# KiCad board evr-fmc.kicad_pcb (continued)
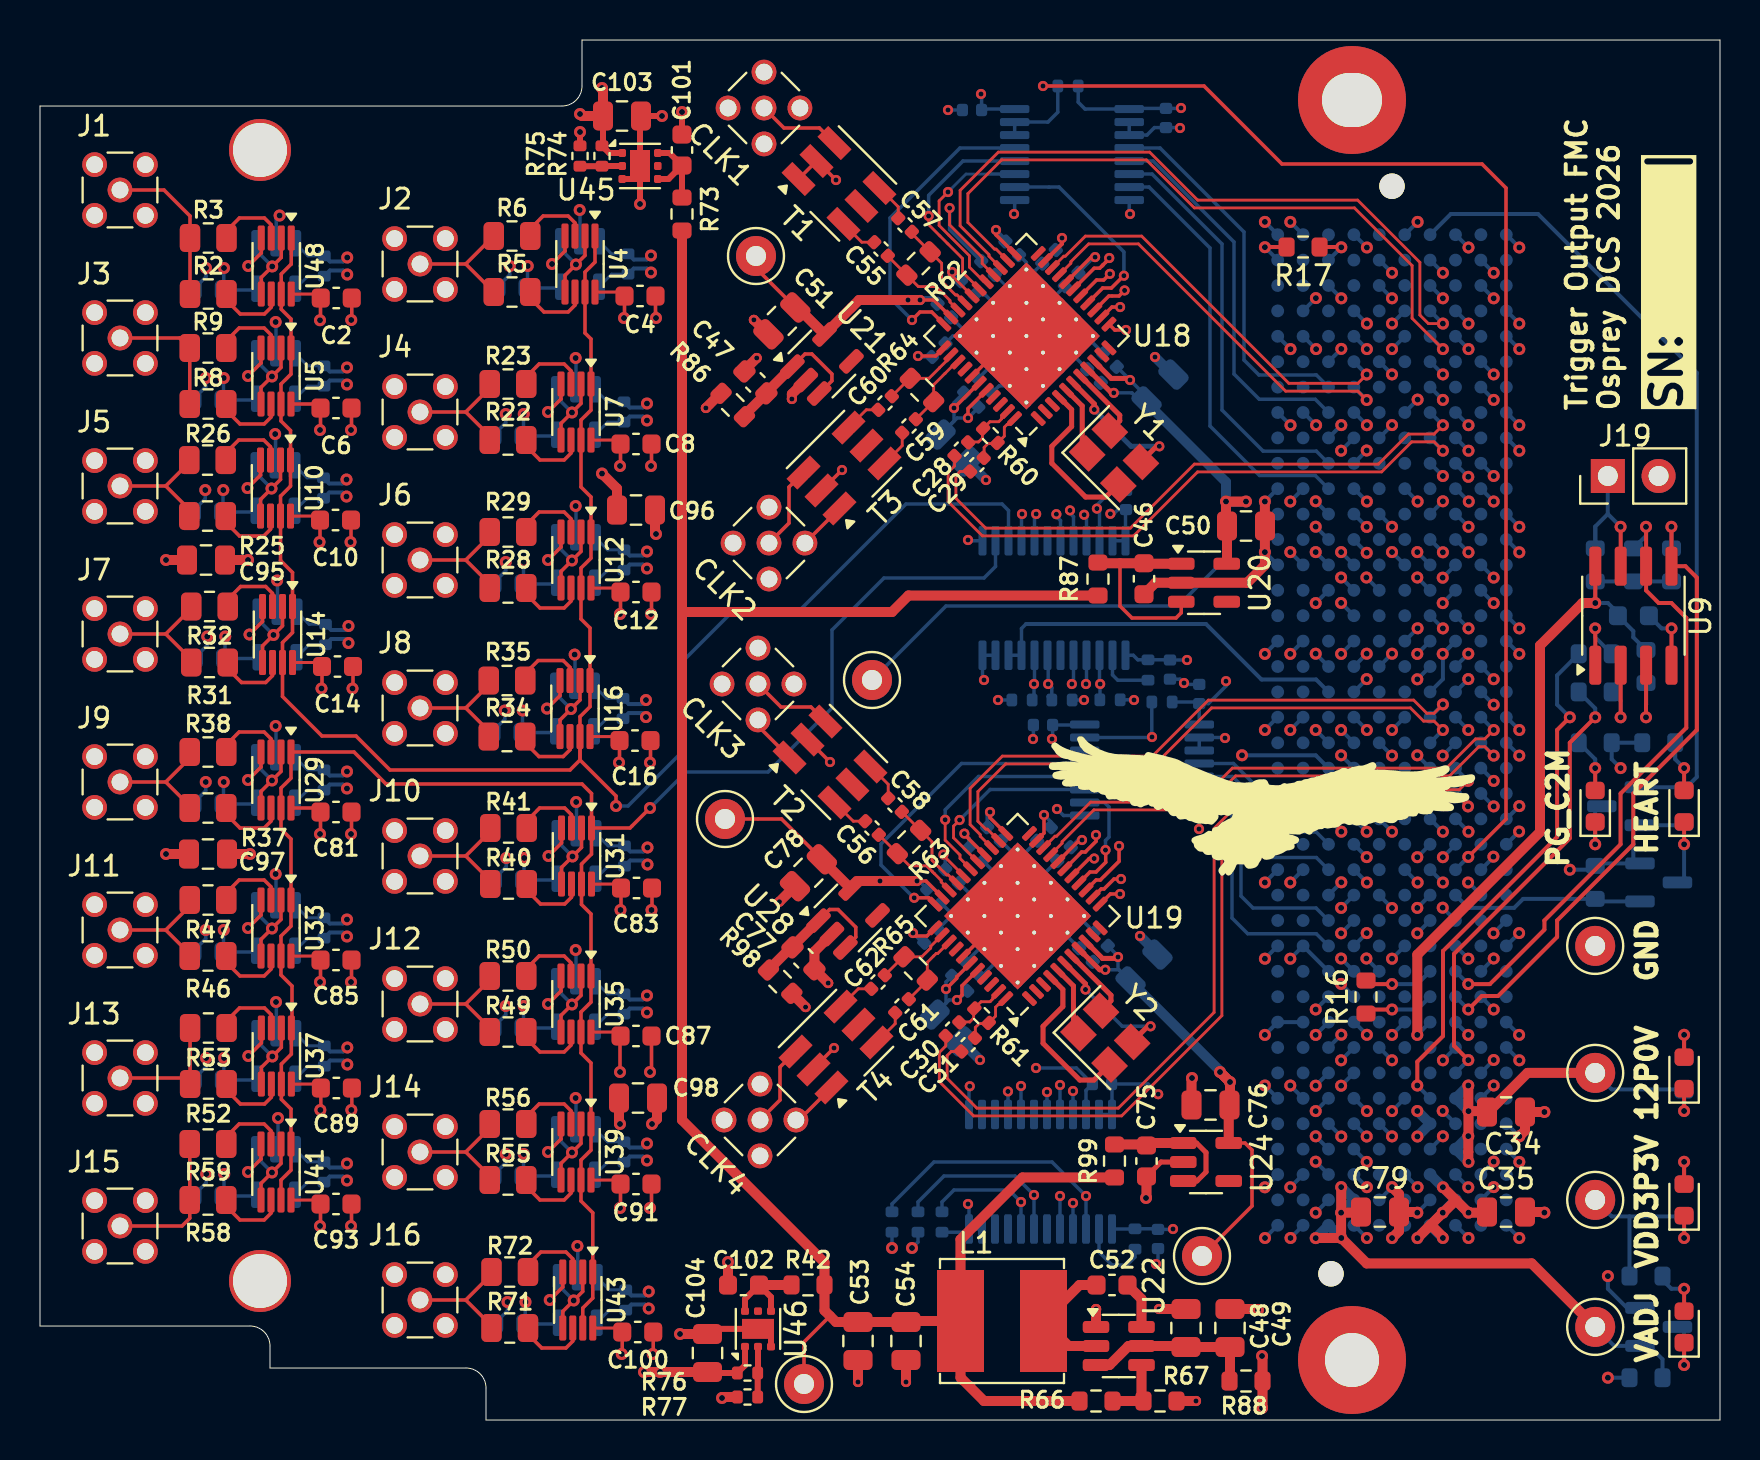
[diagram p0: board, top side]
## Routing (per net, layer and track width the routed paths; a pad name or vN(x,y) marks a point on that pad's centre or on a via; arc(x,y) is an arc through that point) (continued)
  In2.Cu w0.15: v1(15.35,25.02) 15.57,24.8 40.48,24.8 42.78,22.5 46.48,22.5 48.48,20.5 52.82,20.5 54.42,22.1 62.47,22.1 63.01,22.64 64.62,22.64 v1(65.06,23.08)
  Bottom w0.15: U32.3 13.38,25.11 R45.1
  Bottom w0.2: v1(15.35,25.02) 15.15,24.83 14.48,24.83 R45.1 ; P1.G30 v1(65.06,23.08)
/Digital IO/D_Output11.N: length 40
  In2.Cu w0.15: v1(63.78,19.25) 63.35,19.69 62.73,19.69 62.12,20.3 54.98,20.3 53.38,18.7 41.22,18.7 38.62,21.3 33.18,21.3 32.48,20.6 30.57,20.6 v1(30.35,20.38)
  Bottom w0.15: U34.4 28.38,20.29 R48.2
  Bottom w0.2: v1(30.35,20.38) 30.15,20.57 29.48,20.57 R48.2 ; P1.H32 v1(63.78,19.25)
/Digital IO/D_Output11.P: length 40
  In2.Cu w0.15: v1(30.35,21.22) 30.57,21 32.32,21 33.02,21.7 38.78,21.7 41.38,19.1 53.22,19.1 54.82,20.7 62.28,20.7 62.89,20.09 63.35,20.09 v1(63.78,20.53)
  Bottom w0.15: U34.3 28.38,21.31 R48.1
  Bottom w0.2: P1.H31 v1(63.78,20.53) ; v1(30.35,21.22) 30.15,21.03 29.48,21.03 R48.1
/Digital IO/D_Output12.N: length 57.1
  In2.Cu w0.15: v1(65.06,16.72) 64.62,17.15 64.27,17.15 63.32,18.1 56.68,18.1 53.28,14.7 41.62,14.7 38.32,18 15.59,18 v1(15.37,17.78)
  Bottom w0.15: R51.2 13.39,17.69 U36.4
  Bottom w0.2: R51.2 14.5,17.97 15.17,17.97 v1(15.37,17.78) ; P1.G34 v1(65.06,16.72)
/Digital IO/D_Output12.P: length 57.1
  In2.Cu w0.15: v1(65.06,17.98) 64.62,17.55 64.43,17.55 63.48,18.5 56.52,18.5 53.12,15.1 41.78,15.1 38.48,18.4 15.59,18.4 v1(15.37,18.62)
  Bottom w0.15: U36.3 13.39,18.71 R51.1
  Bottom w0.2: P1.G33 v1(65.06,17.98) ; v1(15.37,18.62) 15.17,18.43 14.5,18.43 R51.1
/Digital IO/D_Output13.N: length 40.3
  In2.Cu w0.15: v1(30.35,12.97) 30.57,13.2 32.72,13.2 34.52,11.4 42.78,11.4 44.68,13.3 55.38,13.3 57.08,15 62.28,15 63.16,15.88 63.35,15.88 v1(63.78,15.44)
  Bottom w0.15: R54.2 28.38,12.89 U38.4
  Bottom w0.2: v1(30.35,12.97) 30.15,13.17 29.48,13.17 R54.2 ; 64.43,16.08 v1(63.78,15.44)
/Digital IO/D_Output13.P: length 40.3
  In2.Cu w0.15: v1(63.78,16.72) 63.35,16.28 63,16.28 62.12,15.4 56.92,15.4 55.22,13.7 44.52,13.7 42.62,11.8 34.68,11.8 32.88,13.6 30.57,13.6 v1(30.35,13.83)
  Bottom w0.15: R54.1 28.38,13.91 U38.3
  Bottom w0.2: v1(30.35,13.83) 30.15,13.63 29.48,13.63 R54.1 ; P1.H34 v1(63.78,16.72)
/Digital IO/D_Output14.N: length 55.9
  In2.Cu w0.15: v1(15.35,11.97) 15.63,11.97 16.1,11.51 16.1,10.32 16.92,9.5 43.78,9.5 46.18,11.9 56.28,11.9 57.73,13.35 63.35,13.35 v1(63.78,12.92)
  Bottom w0.15: U40.4 13.38,11.89 R57.2
  Bottom w0.2: R57.2 14.48,12.17 15.15,12.17 v1(15.35,11.97) ; P1.H38 v1(63.78,12.92)
/Digital IO/D_Output14.P: length 56.1
  In2.Cu w0.15: v1(15.35,12.83) 16.5,11.67 16.5,10.48 17.08,9.9 43.62,9.9 46.02,12.3 56.12,12.3 57.57,13.75 63.35,13.75 v1(63.78,14.19)
  Bottom w0.15: R57.1 13.38,12.91 U40.3
  Bottom w0.2: R57.1 14.48,12.63 15.15,12.63 v1(15.35,12.83) ; P1.H37 v1(63.78,14.19)
/Digital IO/D_Output15.N: length 44.1
  In2.Cu w0.15: v1(30.44,5.57) 30.66,5.8 34.32,5.8 35.32,4.8 41.38,4.8 46.38,9.8 55.98,9.8 56.68,10.5 62.88,10.5 65.72,13.34 65.9,13.34 v1(66.34,12.91)
  Bottom w0.15: R69.2 28.47,5.49 U42.4
  Bottom w0.2: R69.2 29.57,5.77 30.24,5.77 v1(30.44,5.57) ; P1.G37 v1(66.34,12.91)
/Digital IO/D_Output15.P: length 44.1
  In2.Cu w0.15: v1(66.34,14.17) 65.9,13.74 65.56,13.74 62.72,10.9 56.52,10.9 55.82,10.2 46.22,10.2 41.22,5.2 35.48,5.2 34.48,6.2 30.66,6.2 v1(30.44,6.43)
  Bottom w0.15: R69.1 28.47,6.51 U42.3
  Bottom w0.2: v1(30.44,6.43) 30.24,6.23 29.57,6.23 R69.1 ; P1.G36 v1(66.34,14.17)
/Digital IO/OE_A: length 102.9
  Top w0.175: 27,33 26.5,32.5 17.5,32.5 15.8,34.2 14.1,34.2 12.13,36.17 U14.7 12.13,38.87 12.63,39.37 U14.1 12.63,42.37 12.03,42.97 U10.7 12.03,46.19 12.53,46.69 U10.1 12.53,49.47 12.05,49.95 U5.7 12.05,51.8 12.55,52.3 U5.1 12.55,55.05 12.06,55.54 U48.7 12.06,57.3 12.56,57.8 U48.1 ; 27,33 28.8,31.2 v1(28.8,30.7) ; 27,33 U16.7 ; 27,33 U16.7 ; U16.7 27,35.17 27.5,35.67 U16.1 27.5,39.6 27.05,40.05 U12.7 27.05,42.6 27.55,43.1 U12.1 27.55,46.15 27.05,46.65 U7.7 27.05,50 27.55,50.5 U7.1 27.55,54.05 27.25,54.35 U4.7 27.25,57.4 27.75,57.9 U4.1
  Bottom w0.175: v1(28.8,30.7) 29.4,30.7 32.1,33.4 32.1,37.9 34.7,40.5 38,40.5 43.3,45.8 48.1,45.8 48.43,45.47 U26.15
/Digital IO/OE_B: length 97.1
  Top w0.175: U31.1 27.58,31.32 27.1,31.8 17.3,31.8 15.7,33.4 U29.1 12.55,32.1 12.05,31.6 U29.7 12.05,29.55 12.55,29.05 U33.1 12.55,24.7 12.05,24.2 U33.7 12.05,22.25 12.6,21.7 12.6,19.63 U37.1 12.57,18.3 12.07,17.8 U37.7 12.07,16.03 12.55,15.55 U41.1 12.55,12.5 12.05,12 U41.7 ; U31.1 27.58,28.3 27.07,27.8 U31.7 27.07,25.78 27.55,25.3 U35.1 27.55,20.9 27.05,20.4 U35.7 27.05,18.35 27.55,17.85 U39.1 27.55,13.5 27.05,13 U39.7 27.05,10.95 27.64,10.36 U43.1 27.64,6.1 27.14,5.6 U43.7 ; U31.1 29.5,29.6 v1(30.5,30.6)
  Bottom w0.175: v1(30.5,30.6) 32.3,32.4 36.4,32.4 39.6,35.6 39.6,39.5 42.2,42.1 47.2,42.1 47.78,42.67 47.78,43.96
/Digital IO/out_buffer0/Out: length 8
  Top w0.175: 7.5,56.22 R2.2 R3.2 7.5,60.2 6.2,61.5 J1.1
/Digital IO/out_buffer1/Out: length 6.3
  Top w0.175: J2.1 21.29,57.8 ; 21.29,57.8 R6.2 ; 21.29,57.8 R5.2 22.69,56.32
/Digital IO/out_buffer2/Out: length 6.6
  Top w0.175: J3.1 6.99,54.1 R9.2 R8.2 7.49,50.72
/Digital IO/out_buffer3/Out: length 6.3
  Top w0.175: J4.1 21.29,50.4 ; 21.29,50.4 22.69,51.8 ; 21.29,50.4 22.69,49 ; 22.49,48.92 R22.2
/Digital IO/out_buffer4/Out: length 6.3
  Top w0.175: J5.1 6.29,46.7 ; 6.29,46.7 7.69,48.1 ; 6.29,46.7 7.69,45.3 ; 7.46,45.12 R25.2
/Digital IO/out_buffer5/Out: length 6.3
  Top w0.175: 22.69,41.6 21.29,43 ; 21.29,43 22.69,44.4 ; 21.29,43 J6.1 ; 22.49,41.52 R28.2
/Digital IO/out_buffer6/Out: length 6.3
  Top w0.175: 6.29,39.3 7.69,40.7 ; 6.29,39.3 7.69,37.9 ; 6.29,39.3 J7.1 ; 7.56,37.8 R31.2
/Digital IO/out_buffer7/Out: length 6.3
  Top w0.175: 22.69,34.2 21.29,35.6 ; 21.29,35.6 J8.1 ; 21.29,35.6 22.69,37 ; 22.44,34.09 R34.2
/Digital IO/out_buffer8/Out: length 6.3
  Top w0.175: 7.69,30.5 6.29,31.9 ; 6.29,31.9 J9.1 ; 6.29,31.9 7.69,33.3 ; 7.49,30.52 R37.2
/Digital IO/out_buffer9/Out: length 6.3
  Top w0.175: 21.29,28.2 22.69,29.6 ; 21.29,28.2 22.69,26.8 ; 21.29,28.2 J10.1 ; 22.51,26.72 R40.2
/Digital IO/out_buffer10/Out: length 6.3
  Top w0.175: 6.29,24.5 7.69,25.9 ; 6.29,24.5 7.69,23.1 ; 6.29,24.5 J11.1 ; 7.49,23.12 R46.2
/Digital IO/out_buffer11/Out: length 6.3
  Top w0.175: 22.69,19.4 21.29,20.8 ; 21.29,20.8 22.69,22.2 ; 21.29,20.8 J12.1 ; 22.49,19.32 R49.2
/Digital IO/out_buffer12/Out: length 6.5
  Top w0.175: J13.1 7.2,17.1 R52.2 ; R52.2 7.5,16.72 ; R52.2 R53.2
/Digital IO/out_buffer13/Out: length 6.3
  Top w0.175: J14.1 21.29,13.4 ; 21.29,13.4 22.69,12 ; 21.29,13.4 22.69,14.8 ; 22.49,11.92 R55.2
/Digital IO/out_buffer14/Out: length 7.4
  Top w0.175: R59.2 R58.2 ; R58.2 7.49,10.09 7.1,9.7 J15.1 ; R58.2 7.49,10.92
/Digital IO/out_buffer15/Out: length 6.3
  Top w0.175: J16.1 21.29,6 ; 21.29,6 22.69,4.6 ; 21.29,6 22.69,7.4 ; 22.58,4.52 22.57,4.6
/Digital IO/Switched_5P45V: length 111.4
  Top w0.175: TP8.1 38.2,3.9 39.5,5.2
  Top w0.5: R73.1 32.1,15 39.22,7.88 R42.1 39.22,5.47 39.8,4.9 C53.1 C54.1 43.35,4.95 L1.2 ; R66.1 47.2,0.95 46.02,2.13 L1.2 ; L1.2 46.02,9.02 49.13,12.13 R99.1 ; 32.1,40.4 42.6,40.4 43.43,41.22 R87.1
/FMC/Cleaned_CLK_0.N: length 20.2
  Top w0.14: U18.19 51.54,57.84 51.54,57.91 52.43,58.81 54.92,58.81 62.28,51.44 65.89,51.44 v1(66.34,51)
  Bottom w0.2: 65.69,51.64 v1(66.34,51)
/FMC/Cleaned_CLK_0.P: length 20.5
  Top w0.14: U18.20 51.19,58.19 51.27,58.19 52.27,59.19 55.08,59.19 62.44,51.83 65.89,51.83 v1(66.34,52.28)
  Bottom w0.2: 65.69,52.92 v1(66.34,52.28)
/FMC/Cleaned_CLK_1.N: length 29.3
  Top w0.14: v1(70.15,34.5) 69.7,34.94 69.18,34.94 68.52,35.61 58.58,35.61 55.78,32.81 48.28,32.81 46.9,31.42 46.9,29.94 47.29,29.54 47.36,29.54 U19.24
  Bottom w0.2: P1.D21 v1(70.15,34.5)
/FMC/Cleaned_CLK_1.P: length 30.2
  Top w0.14: U19.25 47.01,29.19 47.01,29.27 46.5,29.77 46.5,31.58 48.12,33.19 55.62,33.19 58.42,36 68.68,36 69.34,35.33 69.7,35.33 v1(70.15,35.78)
  Bottom w0.2: P1.D20 v1(70.15,35.78)
/FMC/Cleaner_Fault_0.INTR: length 18.7
  Bottom w0.175: P1.H7 63.82,52.25 60.95,52.25 60.2,53 60.2,59.4 56,63.6 U23.4
/FMC/Cleaner_Fault_0.LOL: length 20.8
  Bottom w0.175: U23.6 55.6,62.3 59.1,58.8 59.1,50.5 61.16,48.44 63.82,48.44 P1.H10
/FMC/Cleaner_Fault_0.LOS_XO: length 19
  Bottom w0.175: U23.5 55.65,62.95 59.7,58.9 59.7,52.3 60.96,51.04 63.76,51.04 P1.H8
/FMC/Cleaner_Fault_1.INTR: length 9
  Bottom w0.175: U25.4 59.68,32.83 60.95,31.55 60.95,30.13 61.68,29.4 63.81,29.4 P1.H25
/FMC/Cleaner_Fault_1.LOL: length 11.9
  Bottom w0.175: P1.H28 63.8,25.6 60.65,25.6 60.05,26.2 60.05,30.8 59.32,31.53 U25.6
/FMC/Cleaner_Fault_1.LOS_XO: length 9.7
  Bottom w0.175: U25.5 59.62,32.17 60.5,31.3 60.5,29.1 61.48,28.12 63.82,28.12 P1.H26
/FMC/Cleaner_SPI_0.CLK: length 29
  In4.Cu w0.175: v1(71.41,47.16) 71.41,47.19 70.8,47.8 67.25,47.8 66.55,47.1 58.5,47.1 51.59,40.19 v2(51.59,36.8)
  Bottom w0.175: v2(51.59,36.8) 51.68,36.88 51.68,38.24
  Bottom w0.2: 70.78,47.8 v1(71.41,47.16)
/FMC/Cleaner_SPI_0.CS: length 26.1
  In4.Cu w0.175: v2(50.41,36.8) 50.4,36.8 50.4,39.9 58.1,47.6 65.46,47.6 v1(66.34,48.47)
  Bottom w0.175: 50.41,36.18 R89.1 50.59,36.62 v2(50.41,36.8) 50.41,38.2 U26.7
  Bottom w0.2: P1.G10 v1(66.34,48.47)
/FMC/Cleaner_SPI_0.OE: length 25.8
  In4.Cu w0.175: v2(53.01,36.8) 53.01,39.71 58.6,45.3 69.51,45.3 v1(70.15,45.94)
  Bottom w0.175: 53,36.01 53,36.79 v2(53.01,36.8) 52.97,36.83 U26.3
  Bottom w0.2: P1.D12 v1(70.15,45.94)
/FMC/Cleaner_SPI_0.SDI: length 27.6
  In4.Cu w0.175: v1(71.44,45.92) 70.76,46.6 59,46.6 52.3,39.9 v2(52.3,36.8)
  Bottom w0.175: v2(52.3,36.8) 52.32,36.83 U26.4
  Bottom w0.2: 70.8,46.56 v1(71.44,45.92)
/FMC/Cleaner_SPI_0.SDO: length 21.4
  Bottom w0.175: U23.7 55.45,61.65 58.5,58.6 58.5,49.7 60.97,47.23 63.76,47.23 P1.H11
/FMC/Cleaner_SPI_1.CLK: length 33.1
  In4.Cu w0.175: v1(70.15,29.42) 68.97,29.42 67.05,27.5 60.8,27.5 53.65,20.35 53.65,15.25 51,12.6 v2(51,11.2)
  Bottom w0.175: v2(51,11.2) U27.5
  Bottom w0.2: P1.D24 v1(70.15,29.42)
/FMC/Cleaner_SPI_1.CS: length 37
  In4.Cu w0.175: v1(66.34,28.14) 66.33,28.15 60.6,28.15 53.1,20.65 53.1,15.4 49.7,12 v2(49.7,11.25)
  Bottom w0.175: U27.7 v2(49.7,11.25) 48.75,12.2 45.2,12.2 43.9,10.9 R90.1
  Bottom w0.2: P1.G25 v1(66.34,28.14)
/FMC/Cleaner_SPI_1.OE: length 40.3
  In4.Cu w0.175: v1(68.87,25.61) 68.21,24.95 60,24.95 54.85,19.8 54.85,14.95 52.3,12.4 v2(52.3,11.2)
  Bottom w0.175: R92.1 42.6,10.8 44.7,12.9 50.6,12.9 v2(52.3,11.2) U27.3
  Bottom w0.2: P1.D27 v1(68.87,25.61)
/FMC/Cleaner_SPI_1.SDI: length 31.2
  In4.Cu w0.175: v2(51.65,10.85) 51.65,12.55 54.25,15.15 54.25,20.1 60.4,26.25 69.52,26.25 v1(70.15,26.88)
  Bottom w0.175: v2(51.65,10.85) U27.4
  Bottom w0.2: P1.D26 v1(70.15,26.88)
/FMC/Cleaner_SPI_1.SDO: length 12.4
  Bottom w0.175: U25.7 58.97,30.88 59.6,30.25 59.6,25.1 60.39,24.31 63.82,24.31 P1.H29
/FMC/Cleaner_~{OE}_0: length 65.5
  Top w0.175: v1(71.41,28.16) 73.3,30.04 73.3,61.6 72.1,62.8 62.1,62.8 58.2,66.7 v2(50.15,66.7)
  Bottom w0.175: U23.14 U23.15 50.4,64.9 50.89,65.39 R96.1 v2(50.15,66.7)
  Bottom w0.2: P1.C26 v1(71.41,28.16)
/FMC/Cleaner_~{OE}_1: length 15.2
  In4.Cu w0.175: v2(55.6,34.15) 55.65,34.1 55.7,34.1 56.56,33.23 v1(60.1,33.23)
  Bottom w0.175: R97.1 55.59,34.16 v2(55.6,34.15) 55.57,34.12 U25.15 U25.14
  Bottom w0.2: P1.H22 63.78,33.23 v1(60.1,33.23)
/FMC/Cleaner_~{RST}_0: length 25.4
  In4.Cu w0.175: v1(65.06,48.47) 57.97,48.47 49.7,40.2 v2(49.7,36.8)
  Bottom w0.175: U26.8 49.72,36.83 v2(49.7,36.8) 49.7,36.09 R93.2
  Bottom w0.2: P1.G9 v1(65.06,48.47)
/FMC/Cleaner_~{RST}_1: length 35.9
  In4.Cu w0.175: v1(66.34,29.42) 65.72,28.8 60.5,28.8 52.6,20.9 52.6,15.65 49.05,12.1 v2(49.05,10.9)
  Bottom w0.175: R94.2 45.1,10.9 45.7,11.5 48.45,11.5 v2(49.05,10.9) U27.8
  Bottom w0.2: P1.G24 v1(66.34,29.42)
/FMC/EEPROM_GA0: length 22.9
  Top w0.2: v1(77.76,35.14) 76.49,33.86 76.49,29.09 70.7,23.3 70.7,18.71 v1(71.41,18)
  Bottom w0.2: P1.C34 v1(71.41,18) ; R11.1 77.76,35.58 v1(77.76,35.14)
/FMC/EEPROM_GA1: length 26.4
  Top w0.2: v1(68.87,16.72) 68.87,17.92 70.15,19.2 70.15,23.45 75.85,29.16 75.85,34.5 v1(76.49,35.14)
  Bottom w0.2: 69.5,16.08 v1(68.87,16.72) ; v1(76.49,35.14) 75.85,35.77 75.85,37.23 R10.1
/FMC/EEPROM_SCL: length 31.5
  Top w0.2: v1(71.41,21.8) 72.5,21.8 75.22,24.52 75.22,24.97 79.03,28.78 79.03,31.33 82.31,34.61 82.31,40.11 81.57,40.85 80.94,40.85 80.31,41.48 U9.6 80.31,44.66 v1(80.3,44.66)
  Bottom w0.2: R15.2 80.3,44.21 v1(80.3,44.66) ; P1.C30 v1(71.41,21.8)
/FMC/EEPROM_SDA: length 32.3
  Top w0.2: v1(81.57,44.66) 81.57,44.66 U9.5 82.27,42.69 82.84,42.12 82.84,34.5 79.66,31.33 79.66,28.78 75.85,24.97 75.85,24.16 72.9,21.2 72.09,21.2 v1(71.41,20.53)
  Bottom w0.2: R14.2 81.57,43.58 v1(81.57,44.66) ; P1.C31 v1(71.41,20.53)
/FMC/FMC_GBTCLK0.N: length 35
  Top w0.14: U18.24 47.8,58.54 47.73,58.54 46.4,59.87 46.4,61.32 48.08,63 55.32,63 57.72,60.61 65.72,60.61 68.6,57.72 68.6,55.08 v1(70.15,53.55)
  Bottom w0.2: P1.D5 v1(70.15,53.55)
/FMC/FMC_GBTCLK0.P: length 35.6
  Top w0.14: U18.25 47.45,58.19 47.45,58.27 46,59.71 46,61.48 47.92,63.39 55.48,63.39 57.88,61 65.88,61 69,57.88 69,55.25 69.42,54.82 v1(70.15,54.82)
  Bottom w0.2: 69.5,55.46 v1(70.15,54.82)
/FMC/FMC_GBTCLK1.N: length 25.5
  Top w0.14: v1(72.69,33.22) 72.24,33.67 71.94,33.67 70.48,32.2 59.78,32.2 58.08,30.5 52.69,30.5 51.1,28.91 51.1,28.84 U19.19
  Bottom w0.2: P1.B21 v1(72.69,33.22)
/FMC/FMC_GBTCLK1.P: length 25.8
  Top w0.14: v1(72.69,34.5) 72.24,34.06 71.78,34.06 70.32,32.59 59.62,32.59 57.92,30.89 52.53,30.89 50.83,29.19 50.75,29.19 U19.20
  Bottom w0.2: P1.B20 v1(72.69,34.5)
/FMC/OE_Digital_Outputs: length 18.8
  Bottom w0.175: U26.10 U26.9 49.07,39.58 49.3,39.8
  Bottom w0.2: P1.H19 63.81,37.03 61.07,37.03 58.3,39.8 49.3,39.8
/FMC/Recovered_CLK_0.N: length 29.9
  Top w0.14: C29.1 46,47.43 45.79,47.22 45.79,46.08 47.28,44.59 54.52,44.59 57.72,47.8 66.92,47.8 68.42,49.3 69.7,49.3 v1(70.15,49.74)
  Bottom w0.2: 69.5,50.38 v1(70.15,49.74)
/FMC/Recovered_CLK_0.P: length 30.9
  Top w0.14: v1(70.15,48.47) 69.7,48.91 68.58,48.91 67.08,47.41 57.88,47.41 54.68,44.2 47.12,44.2 45.41,45.92 45.41,47.38 45.73,47.7 C28.1
  Bottom w0.2: P1.D9 v1(70.15,48.47)
/FMC/Recovered_CLK_1.N: length 41.8
  Top w0.14: v1(71.4,31.95) 70.96,31.51 69.41,31.51 69.28,31.64 60.77,31.64 58.71,29.58 58.71,20.38 53.92,15.59 46.84,15.59 45.36,17.08 45.36,18.22 45.56,18.43 C31.1
  Bottom w0.2: 70.76,32.59 v1(71.4,31.95)
/FMC/Recovered_CLK_1.P: length 42.7
  Top w0.14: C30.1 45.29,18.7 44.97,18.38 44.97,16.92 46.68,15.2 54.08,15.2 59.09,20.22 59.09,29.42 60.93,31.25 69.12,31.25 69.25,31.12 70.96,31.12 v1(71.4,30.68)
  Bottom w0.2: 70.76,31.32 v1(71.4,30.68)
/Jitter Cleaner0/Cleaned_CLK2.N: length 4.7
  Top w0.14: C57.1 43.59,59.33 R62.2 45.08,57.84 45.08,56.95 45.77,56.25 45.85,56.25 U18.30
/Jitter Cleaner0/Cleaned_CLK2.P: length 4.7
  Top w0.14: U18.31 45.5,55.9 45.5,55.98 44.81,56.67 43.91,56.67 R62.1 42.39,58.2 C55.1
/Jitter Cleaner0/Cleaned_CLK3.N: length 3.9
  Top w0.14: U18.35 45.55,53.18 44.45,52.08 R64.2 43.48,52.08 C60.1
/Jitter Cleaner0/Cleaned_CLK3.P: length 3.8
  Top w0.14: U18.36 45.82,52.9 44.68,51.76 R64.1 44.67,50.92 C59.1
/Jitter Cleaner0/Control.INTR: length 15.2
  Top w0.175: v2(43.6,55) 44,55.4 44.58,55.4 U18.33
  Bottom w0.175: v2(43.6,55) 42.5,56.1 42.5,60.1 46,63.6 U23.13
/Jitter Cleaner0/Control.LOL: length 9.5
  Top w0.14: 47.29,56.91 U18.27 47.2,56.91 46.47,57.64 46.47,58.21 44.96,59.73 44.96,60.96 v2(45.4,61.4)
  Top w0.175: 47.31,57 U18.27
  Bottom w0.14: 47.4,62.3 46.3,62.3 v2(45.4,61.4)
  Bottom w0.175: 47.4,62.3 U23.11
/Jitter Cleaner0/Control.LOS_XO: length 10.8
  Top w0.14: v2(44.43,60.2) 44.43,59.77 46.13,58.07 46.13,57.39 U18.28
  Top w0.175: 46.96,56.64 U18.28
  Bottom w0.175: v2(44.43,60.2) 44.43,61.23 46.15,62.95 U23.12
/Jitter Cleaner0/Control.OE: length 12.6
  Top w0.175: U18.12 53.74,54.5 v2(54.3,54.5)
  In4.Cu w0.175: v2(54.3,54.5) 54.3,53.3 52,51 52,47.01 52.21,46.8 v2(52.21,45.26)
  Bottom w0.175: v2(52.21,45.26) 52.28,45.26 52.32,45.22 U26.21
/Jitter Cleaner0/Control.RST: length 19.4
  Top w0.175: v2(53.46,58.1) 53.46,58.03 53.44,58 53.39,58 53.31,57.92 53.15,57.75 53.15,57.75 53.1,57.7 53.09,57.7 52.99,57.59 52.71,57.59 U18.17
  In4.Cu w0.175: v2(49.1,45.3) 49.1,48.1 47.95,49.25 47.95,51.95 51.78,55.78 51.78,56.4 53.46,58.08 v2(53.46,58.1)
  Bottom w0.175: U26.16 49.07,45.28 v2(49.1,45.3)
/Jitter Cleaner0/Control.SPI_CLK: length 16.2
  Top w0.175: U18.14 53.44,56.2 53.95,56.2 v2(54.23,56.48)
  In4.Cu w0.175: v2(50.82,45.29) 50.82,51.42 53.3,53.9 53.3,56 53.78,56.48 v2(54.23,56.48)
  Bottom w0.175: U26.19 51.03,44.97 50.82,45.18 v2(50.82,45.29)
/Jitter Cleaner0/Control.SPI_CS: length 17.8
  Top w0.175: U18.16 52.83,57 53.18,57 v2(53.49,57.31)
  In4.Cu w0.175: v2(49.81,45.3) 49.81,48.39 48.6,49.6 48.6,51.03 52.4,54.83 52.4,56.2 53.49,57.29 v2(53.49,57.31)
  Bottom w0.175: v2(49.81,45.3) 49.72,45.22 U26.17
/Jitter Cleaner0/Control.SPI_SDI: length 13.9
  Top w0.175: v2(54,55.65) 53.6,55.65 U18.13
  In4.Cu w0.175: v2(54,55.65) 53.76,55.4 53.76,53.66 51.5,51.4 v2(51.5,45.48)
  Bottom w0.175: 51.68,43.96 51.68,45.17 51.5,45.34 v2(51.5,45.48)
/Jitter Cleaner0/Control.SPI_SDO: length 10.4
  Top w0.175: v2(54.19,57.21) 54.18,57.21 53.57,56.6 53.13,56.6 U18.15
  Bottom w0.175: v2(54.19,57.21) 54.19,58.41 50.95,61.65 U23.10
/Jitter Cleaner0/In0.N: length 2.9
  Top w0.14: C29.2 47.2,48.13 47.2,48.63 47.4,48.82 47.84,48.82 R60.2 48.22,49.19 48.22,49.64 48.36,49.78 48.44,49.78 U18.44
/Jitter Cleaner0/In0.P: length 2.9
  Top w0.14: C28.2 46.43,48.9 46.93,48.9 47.12,49.09 47.12,49.54 R60.1 47.49,49.91 47.94,49.91 48.08,50.06 48.08,50.13 U18.43
/Jitter Cleaner1/Cleaned_CLK2.N: length 4.7
  Top w0.14: 44.99,27.6 44.6,27.99 44.6,28.91 44.03,29.47 R63.2 44.02,29.48 C58.1 ; U19.30 45.41,27.25 45.34,27.25 45,27.59
/Jitter Cleaner1/Cleaned_CLK2.P: length 4.7
  Top w0.14: U19.31 45.06,26.9 45.06,26.98 44.73,27.31 ; 44.71,27.32 44.33,27.71 43.47,27.71 R63.1 42.87,28.33 C56.1
/Jitter Cleaner1/Cleaned_CLK3.N: length 3.7
  Top w0.14: C62.1 43.16,23.16 R65.2 44.09,23.16 44.51,23.58 44.54,23.61 44.54,23.68 U19.35
/Jitter Cleaner1/Cleaned_CLK3.P: length 3.7
  Top w0.14: U19.36 44.89,23.33 44.81,23.33 44.68,23.2 44.37,22.89 R65.1 44.37,21.97 C61.1
/Jitter Cleaner1/Control.INTR: length 16.4
  Top w0.175: v2(43.71,26.11) 44.44,26.11 U19.33
  Bottom w0.175: U25.13 46.07,32.83 42.05,28.8 42.05,27.75 43.69,26.11 v2(43.71,26.11)
/Jitter Cleaner1/Control.LOL: length 9.6
  Top w0.14: v2(45.98,30) 45.68,29.7 45.68,29.11 U19.27
  Top w0.175: U19.27 46.86,27.91
  Bottom w0.175: v2(45.98,30) 47.51,31.53 U25.11
/Jitter Cleaner1/Control.LOS_XO: length 11.2
  Top w0.14: 45.25,30 v2(45.26,30.01) 45.26,28.99 46,28.25 46,28.08 U19.28
  Top w0.175: U19.28 46.52,27.63
  Bottom w0.175: U25.12 46.93,32.17 45.26,30.51 v2(45.26,30.01)
/Jitter Cleaner1/Control.OE: length 13.2
  Top w0.175: v2(54,26.3) 53.52,26.3 U19.12
  In4.Cu w0.175: v2(51.65,16.45) 51.65,21.85 54,24.2 v2(54,26.3)
  Bottom w0.175: 51.65,15.28 v2(51.65,16.45)
/Jitter Cleaner1/Control.RST: length 19
  Top w0.175: v2(52.8,29.25) 52.8,28.93 52.27,28.4 52.08,28.4 U19.17
  In4.Cu w0.175: v2(52.8,29.25) 52.8,28.93 51.08,27.21 51.08,26.58 47.51,23.01 47.51,18.34 48.4,17.45 v2(48.4,16.43)
  Bottom w0.175: 48.4,15.28 48.4,16.42 v2(48.4,16.43)
/Jitter Cleaner1/Control.SPI_CLK: length 17.9
  Top w0.175: v2(53.95,28.7) 53.95,27.94 53.02,27 52.8,27 U19.14
  In4.Cu w0.175: v2(50.35,16.4) 50.35,22.15 52.85,24.65 52.85,27.15 53.95,28.25 v2(53.95,28.7)
  Bottom w0.175: 50.35,15.28 v2(50.35,16.4)
/Jitter Cleaner1/Control.SPI_CS: length 16.5
  Top w0.175: U19.16 52.46,28.07 v2(52.71,28.07)
  In4.Cu w0.175: v2(52.71,28.07) 52.1,27.47 52.1,25.95 48.2,22.05 48.2,19 49.05,18.15 v2(49.05,16.7)
  Bottom w0.175: 49.05,15.28 v2(49.05,16.7)
/Jitter Cleaner1/Control.SPI_SDI: length 15
  Top w0.175: v2(54.05,27.05) 53.7,27.05 53.2,26.55 53.06,26.55 U19.13
  In4.Cu w0.175: v2(51,16.75) 51,22.05 53.35,24.4 53.35,26.75 53.65,27.05 v2(54.05,27.05)
  Bottom w0.175: v2(51,16.75) 51,15.28
/Jitter Cleaner1/Control.SPI_SDO: length 5.9
  Top w0.175: v2(53.27,28.5) 53.28,28.49 53.28,27.88 52.8,27.4 52.5,27.4 51.95,26.85 U19.15
  Bottom w0.175: v2(53.27,28.5) 53.27,28.97 53.45,29.15 53.45,30.65 53.22,30.88 U25.10
/Jitter Cleaner1/In0.N: length 2.9
  Top w0.14: U19.44 48,20.78 47.92,20.78 47.78,20.64 47.78,20.19 R61.2 47.4,19.82 46.96,19.82 46.77,19.63 46.77,19.13 C31.2
/Jitter Cleaner1/In0.P: length 2.9
  Top w0.14: U19.43 47.64,21.13 47.64,21.06 47.5,20.91 47.06,20.91 R61.1 46.68,20.54 46.68,20.09 46.49,19.9 45.99,19.9 C30.2
Heartbeat_LED: length 9.8
  Bottom w0.2: P1.C27 71.41,25.61 73.71,25.61 74.16,26.06 77.76,26.06 77.76,25.93 Q3.1
PG_C2M: length 40.5
  Bottom w0.2: Q1.1 82.21,31.64 R101.2 82.84,32.15 82.84,52.36 74.9,60.3 70.54,60.3 P1.D1
PRSNT: length 2
  Top w0.2: R17.1 65.05,58.65 v1(65.06,58.64)
  Bottom w0.2: P1.H2 v1(65.06,58.64)
TDI: length 3.5
  Top w0.2: v1(67.6,21.8) 66.48,21.8 R16.2
  Bottom w0.2: P1.D30 68.87,21.8 v1(67.6,21.8)
TDO: length 3.6
  Top w0.2: v1(67.6,20.53) 66.5,20.53 R16.1
  Bottom w0.2: v1(67.6,20.53) 68.87,20.53 P1.D31
VADJ: length 66.5
  Top w0.14: U19.29 46.17,27.23 45.17,28.22 v2(45.17,28.27) ; U18.29 45.61,57.21 v2(45.61,57.4)
  Top w0.175: v2(47.5,30.4) 47.5,30.12 U19.23 ; U18.18 52.56,58.15 v2(52.76,58.15) ; v2(52.1,29) 51.97,29 U19.18 ; v2(43.9,53.2) 44.78,53.2 U18.34 ; U19.34 44.35,24.2 43.8,24.2 v2(43.65,24.35) ; U18.23 47.8,59.25 v2(47.8,59.5) ; 46.59,56.21 U18.29
  Top w0.5: v1(65.06,10.37) 66.01,10.37 C79.1 ; v1(65.06,10.37) 65.06,10.37 v1(65.06,11.65) ; v1(65.06,10.37) 65.06,9.11 v1(65.06,9.1) ; v1(65.06,9.1) 66.34,7.83 74.59,7.83 TP4.1 ; v1(65.06,9.1) 63.79,9.1 v1(63.78,9.09)
  Bottom w0.175: C21.1 46.06,56.94 v2(45.61,57.4) ; C22.1 43.95,53.15 v2(43.9,53.2) ; C36.1 47.36,30.26 v2(47.5,30.4) ; R92.2 v1(42.6,8.6) ; v2(57.35,38) C69.2 56.49,38.01 R68.2 54.89,38.01 54.66,38.24 54.28,38.24 ; R89.2 v2(52.2,36) ; C19.1 52.7,58.15 v2(52.76,58.15) ; R91.2 54.69,36.01 v2(54.7,36) ; C20.1 48.27,59.03 v2(47.8,59.5) ; C68.2 58.42,35.82 59.3,36.7 v2(59.3,36.94) ; C68.2 U25.1 ; C68.2 57.88,35.9 R97.2 ; U27.1 54.74,9.55 R70.2 55.87,9.56 C71.2 56.63,9.53 v2(56.65,9.55) ; v2(57.05,65.6) 57.03,65.58 C66.2 54.58,65.58 54.55,65.55 U23.1 52.25,65.55 51.91,65.89 R96.2 ; v2(45.17,28.27) 45.26,28.18 C38.1 ; C32.1 51.9,29 v2(52.1,29) ; R90.2 43.9,8.9 v1(43.6,8.6) ; v2(43.65,24.35) 44.14,23.86 C40.1 ; 56.07,65.55 56.1,65.58
  Bottom w0.2: TP4.1 78.71,3.71 Q2.1 80.46,3.71 81.12,3.04 R102.2
  Bottom w0.5: 64.43,9.74 v1(65.06,9.1) ; P1.G39 v1(65.06,10.37) ; P1.H40 v1(63.78,9.09) ; 65.7,11 v1(65.06,11.65)
Net-(CLK1-In): length 4.2
  Top w0.175: CLK1.1 37.2,64.6 38.97,64.6 T1.3
Net-(CLK2-In): length 4.2
  Top w0.175: T3.3 37.45,46.65 37.45,44.85 CLK2.1
Net-(CLK3-In): length 4.2
  Top w0.175: CLK3.1 37.05,35.65 38.55,35.65 T2.3
Net-(CLK4-In): length 4.2
  Top w0.175: CLK4.1 37,16 37,17.65 T4.3
Net-(D1-A): length 2.7
  Top w0.2: D1.2 v1(77.76,32.59)
  Bottom w0.2: R18.1 77.76,33.04 v1(77.76,32.59)
Net-(D1-K): length 3.4
  Top w0.2: D1.1 v1(77.76,28.78)
  Bottom w0.2: v1(77.76,28.78) 77.76,30.69 Q1.3
Net-(D2-A): length 2.6
  Top w0.2: D2.2 v1(82.21,6.56)
  Bottom w0.2: v1(82.21,6.56) 81.57,6.56 81.12,7 R19.1
Net-(D2-K): length 3.4
  Top w0.2: D2.1 v1(82.21,2.75)
  Bottom w0.2: Q2.3 82.21,4.66 v1(82.21,2.75)
Net-(D3-A): length 2.2
  Top w0.2: v1(82.21,12.91) D3.2
  Bottom w0.2: R20.1 v1(82.21,12.91)
Net-(D4-A): length 2.6
  Top w0.2: v1(82.21,32.59) D4.2
  Bottom w0.2: R95.1 81.76,33.04 v1(82.21,32.59)
Net-(D4-K): length 3.4
  Top w0.2: D4.1 v1(82.21,28.78)
  Bottom w0.2: v1(82.21,28.78) 82.21,26.88 Q3.3
Net-(D5-A): length 2.2
  Top w0.2: v1(82.21,19.26) D5.2
  Bottom w0.2: 82.21,18.18 v1(82.21,19.26)
Net-(J19-Pin_1): length 7.9
  Top w0.2: v1(79.03,44.66) 79.03,44.66 U9.7
  Bottom w0.2: 77.76,44.66 R13.2 77.76,44.67 78.39,45.3 ; 78.39,45.3 v1(79.03,44.66) ; 78.39,45.3 J19.1 ; 77.78,47.2 77.76,47.21
Net-(T1-SEC): length 1.9
  Top w0.14: C57.2 42.91,60.66 T1.4
Net-(T1-SEC_DOT): length 1.9
  Top w0.14: T1.6 41.09,58.89 C55.2
Net-(T2-SEC): length 2
  Top w0.14: T2.4 42.41,31.79 C58.2
Net-(T2-SEC_DOT): length 1.9
  Top w0.14: T2.6 40.66,29.94 C56.2
Net-(T3-SEC): length 1.9
  Top w0.14: C60.2 41.31,50.51 T3.4
Net-(T3-SEC_DOT): length 1.9
  Top w0.14: C59.2 43.11,48.71 T3.6
Net-(T4-SEC): length 1.9
  Top w0.14: T4.4 40.91,21.56 C62.2
Net-(T4-SEC_DOT): length 1.9
  Top w0.14: C61.2 42.76,19.81 T4.6
Net-(U4-1A): length 4.7
  Top w0.175: U4.2 27.25,58.23 v1(26.8,57.78) 26.25,57.23 U4.5
  Bottom w0.175: U3.1 26.05,58.52 v1(26.8,57.78)
Net-(U4-1Y): length 3.6
  Top w0.175: U4.6 26.75,55.74 26.41,55.4 25.2,55.4 24.51,56.09 R5.1
Net-(U4-2Y): length 3.7
  Top w0.175: R6.1 24.51,59.56 25.16,60.2 26.41,60.2 26.75,59.86 U4.3
Net-(U5-1A): length 4.7
  Top w0.175: U5.2 12.05,52.63 v1(11.6,52.18) 11.05,51.63 U5.5
  Bottom w0.175: v1(11.6,52.18) 10.85,52.92 U2.1
Net-(U5-1Y): length 3.6
  Top w0.175: U5.6 11.55,50.14 11.21,49.8 10,49.8 9.31,50.49 R8.1
Net-(U5-2Y): length 3.7
  Top w0.175: U5.3 11.55,54.26 11.21,54.6 9.96,54.6 9.31,53.96 R9.1
Net-(U7-1A): length 4.7
  Top w0.175: U7.5 26.05,49.83 v1(26.6,50.38) 27.05,50.83 U7.2
  Bottom w0.175: U6.1 25.85,51.12 v1(26.6,50.38)
